# Altium PCB Graviton-RB1.PcbDoc (part 2 of 11) (continued)
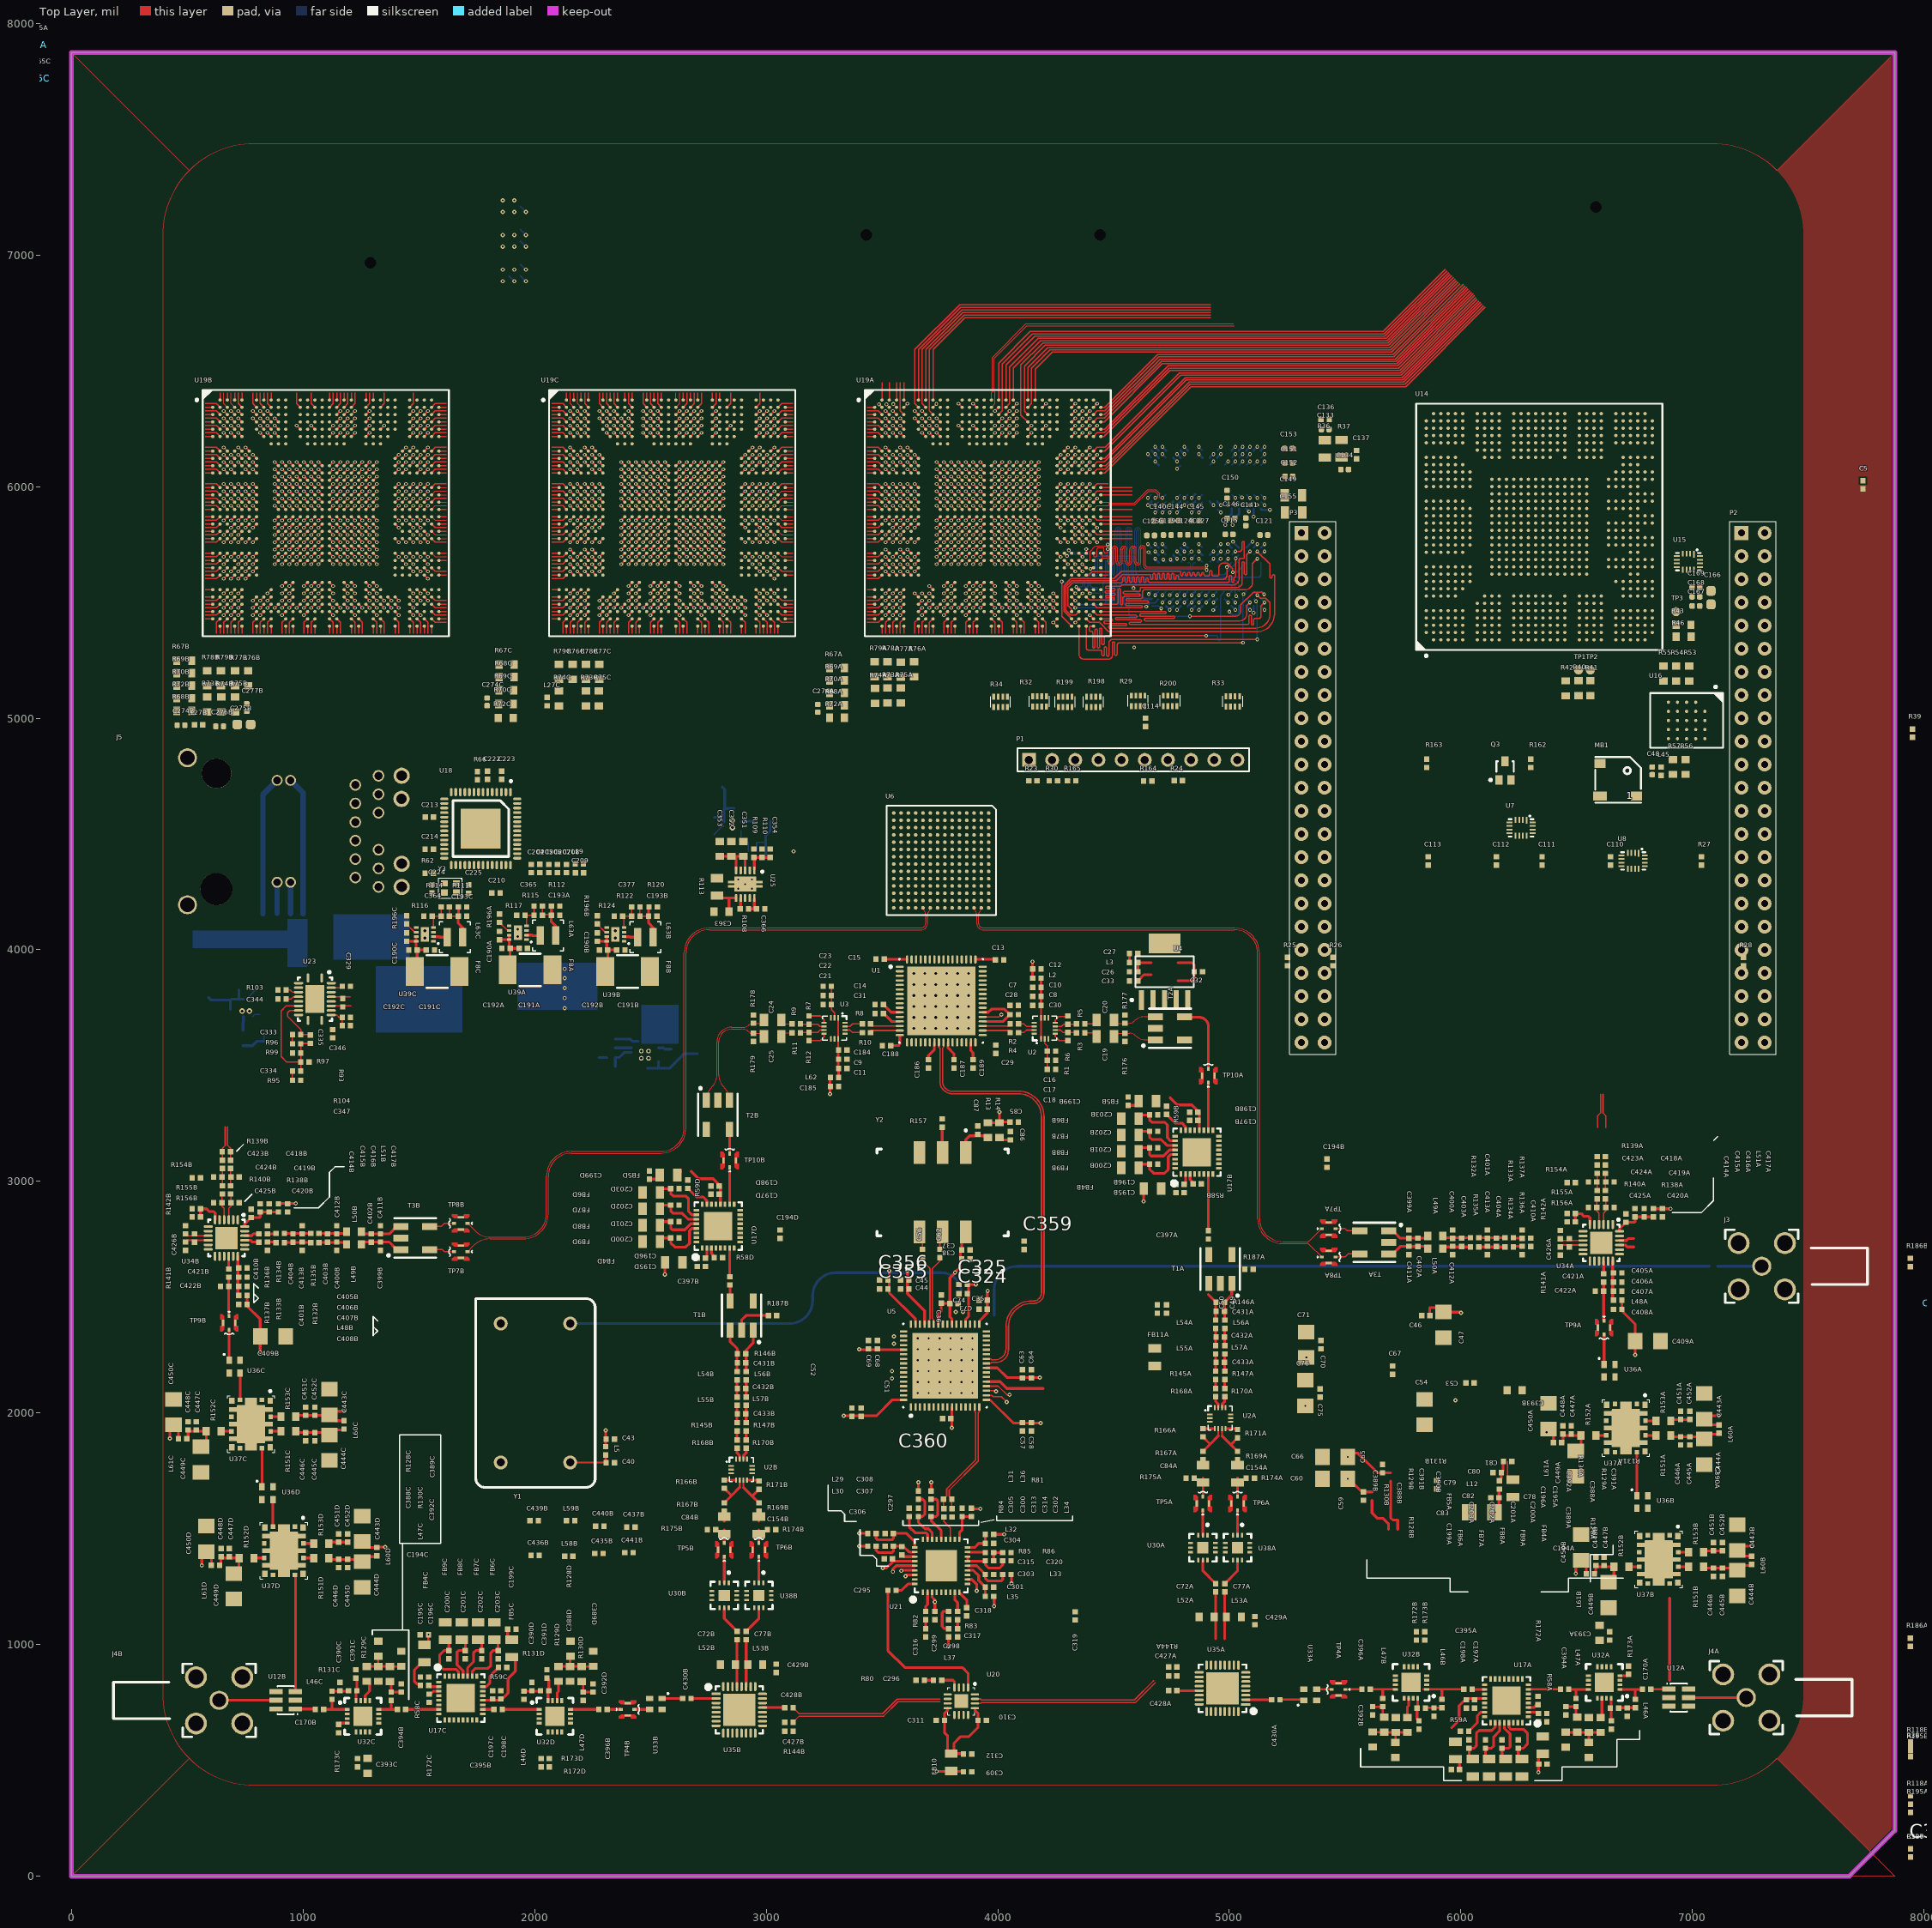
[diagram p0: Top Layer view]
## Components (designator, comment, footprint, x,y, rotation, side; value= is the part's Value field where it differs from the comment) (continued)
C233C "GRM188R71A225KE15D" CAPC1608X90N 2756,6507 r270 bottom (schematic designator C233)
C234A "GRM155R71A104KA01J" CAPC1005X56N 3985,6150 r270 bottom (schematic designator C234)
C234B "GRM155R71A104KA01J" CAPC1005X56N 1123,6153 r270 bottom (schematic designator C234)
C234C "GRM155R71A104KA01J" CAPC1005X56N 2627,6158 r270 bottom (schematic designator C234)
C235A "GRM155R71A104KA01J" CAPC1005X56N 4025,6150 r270 bottom (schematic designator C235)
C235B "GRM155R71A104KA01J" CAPC1005X56N 1163,6153 r270 bottom (schematic designator C235)
C235C "GRM155R71A104KA01J" CAPC1005X56N 2667,6158 r270 bottom (schematic designator C235)
C236A "GRM155R71A104KA01J" CAPC1005X56N 4065,6150 r270 bottom (schematic designator C236)
C236B "GRM155R71A104KA01J" CAPC1005X56N 1203,6153 r270 bottom (schematic designator C236)
C236C "GRM155R71A104KA01J" CAPC1005X56N 2707,6158 r270 bottom (schematic designator C236)
C237A "GRM155R71A104KA01J" CAPC1005X56N 4105,6150 r270 bottom (schematic designator C237)
C237B "GRM155R71A104KA01J" CAPC1005X56N 1242.83,6152.92 r270 bottom (schematic designator C237)
C237C "GRM155R71A104KA01J" CAPC1005X56N 2747,6158 r270 bottom (schematic designator C237)
C238A "GRM155R71A104KA01J" CAPC1005X56N 4216,6560 r270 bottom (schematic designator C238)
C238B "GRM155R71A104KA01J" CAPC1005X56N 1767.94,5972.65 r180 bottom (schematic designator C238)
C238C "GRM155R71A104KA01J" CAPC1005X56N 3246,5943 r180 bottom (schematic designator C238)
C239A "GRM188R71A225KE15D" CAPC1608X90N 4268,6502 r270 bottom (schematic designator C239)
C239B "GRM188R71A225KE15D" CAPC1608X90N 1710,5918 r180 bottom (schematic designator C239)
C239C "GRM188R71A225KE15D" CAPC1608X90N 3198,5893 r180 bottom (schematic designator C239)
C240A "GRM155R71A104KA01J" CAPC1005X56N 4222,6046 r180 bottom (schematic designator C240)
C240B "GRM155R71A104KA01J" CAPC1005X56N 1364,6045 r180 bottom (schematic designator C240)
C240C "GRM155R71A104KA01J" CAPC1005X56N 2866,6037 r180 bottom (schematic designator C240)
C241A "GRM155R71A104KA01J" CAPC1005X56N 4222,6006 r180 bottom (schematic designator C241)
C241B "GRM155R71A104KA01J" CAPC1005X56N 1364,6005 r180 bottom (schematic designator C241)
C241C "GRM155R71A104KA01J" CAPC1005X56N 2866,5998 r180 bottom (schematic designator C241)
C242A "GRM155R71A104KA01J" CAPC1005X56N 4222,5966 r180 bottom (schematic designator C242)
C242B "GRM155R71A104KA01J" CAPC1005X56N 1364,5965 r180 bottom (schematic designator C242)
C242C "GRM155R71A104KA01J" CAPC1005X56N 2866,5959 r180 bottom (schematic designator C242)
C243A "GRM155R71A104KA01J" CAPC1005X56N 4222,5926 r180 bottom (schematic designator C243)
C243B "GRM155R71A104KA01J" CAPC1005X56N 1363.94,5925.17 r180 bottom (schematic designator C243)
C243C "GRM155R71A104KA01J" CAPC1005X56N 2866.24,5920.17 r180 bottom (schematic designator C243)
C244A "GRM188R71A225KE15D" CAPC1608X90N -245.1,6819.97 r90 bottom (schematic designator C244)
C244B "GRM188R71A225KE15D" CAPC1608X90N -238,7036 r90 bottom (schematic designator C244)
C244C "GRM188R71A225KE15D" CAPC1608X90N -224,7333 r90 bottom (schematic designator C244)
C245A "GRM155R71A104KA01J" CAPC1005X56N -294,6841 r90 bottom (schematic designator C245)
C245B "GRM155R71A104KA01J" CAPC1005X56N -301.23,7058.06 r90 bottom (schematic designator C245)
C245C "GRM155R71A104KA01J" CAPC1005X56N -272,7358 r90 bottom (schematic designator C245)
C246A "GRM155R71A104KA01J" CAPC1005X56N 4161,5207 r90 bottom (schematic designator C246)
C246B "GRM155R71A104KA01J" CAPC1005X56N 1771,5778 r180 bottom (schematic designator C246)
C246C "GRM155R71A104KA01J" CAPC1005X56N 3254,5773 r180 bottom (schematic designator C246)
C247A "GRM188R71A225KE15D" CAPC1608X90N 4103,5254 r90 bottom (schematic designator C247)
C247B "GRM188R71A225KE15D" CAPC1608X90N 1711,5722 r180 bottom (schematic designator C247)
C247C "GRM188R71A225KE15D" CAPC1608X90N 3206,5721 r180 bottom (schematic designator C247)
C248A "GRM155R71A104KA01J" CAPC1005X56N 4224,5860 r180 bottom (schematic designator C248)
C248B "GRM155R71A104KA01J" CAPC1005X56N 1361,5857 r180 bottom (schematic designator C248)
C248C "GRM155R71A104KA01J" CAPC1005X56N 2865,5856 r180 bottom (schematic designator C248)
C249A "GRM155R71A104KA01J" CAPC1005X56N 4224,5820 r180 bottom (schematic designator C249)
C249B "GRM155R71A104KA01J" CAPC1005X56N 1361,5818 r180 bottom (schematic designator C249)
C249C "GRM155R71A104KA01J" CAPC1005X56N 2865,5816 r180 bottom (schematic designator C249)
C250A "GRM155R71A104KA01J" CAPC1005X56N 4224,5780 r180 bottom (schematic designator C250)
C250B "GRM155R71A104KA01J" CAPC1005X56N 1361,5779 r180 bottom (schematic designator C250)
C250C "GRM155R71A104KA01J" CAPC1005X56N 2865,5777 r180 bottom (schematic designator C250)
C251A "GRM155R71A104KA01J" CAPC1005X56N 4224,5740 r180 bottom (schematic designator C251)
C251B "GRM155R71A104KA01J" CAPC1005X56N 1360.97,5739.17 r180 bottom (schematic designator C251)
C251C "GRM155R71A104KA01J" CAPC1005X56N 2865,5738 r180 bottom (schematic designator C251)
C252A "GRM188R71A225KE15D" CAPC1608X90N 4505.1,5961.33 r270 bottom (schematic designator C252)
C252B "GRM188R71A225KE15D" CAPC1608X90N 1717,5830 r180 bottom (schematic designator C252)
C252C "GRM188R71A225KE15D" CAPC1608X90N 3200,5827 r180 bottom (schematic designator C252)
C253A "GRM155R71A104KA01J" CAPC1005X56N 4325,5820 r0 bottom (schematic designator C253)
C253B "GRM155R71A104KA01J" CAPC1005X56N 1554,5823 r180 bottom (schematic designator C253)
C253C "GRM155R71A104KA01J" CAPC1005X56N 3053.27,5819.77 r180 bottom (schematic designator C253)
C254A "GRM155R71A104KA01J" CAPC1005X56N 4251,5208 r90 bottom (schematic designator C254)
C254B "GRM155R71A104KA01J" CAPC1005X56N 1768,5615 r180 bottom (schematic designator C254)
C254C "GRM155R71A104KA01J" CAPC1005X56N 3255,5621 r180 bottom (schematic designator C254)
C255A "GRM188R71A225KE15D" CAPC1608X90N 4211,5621 r90 bottom (schematic designator C255)
C255B "GRM188R71A225KE15D" CAPC1608X90N 1706,5561 r180 bottom (schematic designator C255)
C255C "GRM188R71A225KE15D" CAPC1608X90N 3200,5564 r180 bottom (schematic designator C255)
C256A "GRM155R71A104KA01J" CAPC1005X56N 4226,5698 r180 bottom (schematic designator C256)
C256B "GRM155R71A104KA01J" CAPC1005X56N 1360.99,5701.28 r180 bottom (schematic designator C256)
C256C "GRM155R71A104KA01J" CAPC1005X56N 2866,5658 r180 bottom (schematic designator C256)
C257A "GRM155R71A104KA01J" CAPC1005X56N 4208,5279 r90 bottom (schematic designator C257)
C257B "GRM155R71A104KA01J" CAPC1005X56N 1361,5662 r180 bottom (schematic designator C257)
C257C "GRM155R71A104KA01J" CAPC1005X56N 2866,5698 r180 bottom (schematic designator C257)
C258A "GRM155R71A104KA01J" CAPC1005X56N 3305,5721 r0 bottom (schematic designator C258)
C258B "GRM155R71A104KA01J" CAPC1005X56N 505,5732 r0 bottom (schematic designator C258)
C258C "GRM155R71A104KA01J" CAPC1005X56N 1998,5622 r180 bottom (schematic designator C258)
C259A "GRM188R71A225KE15D" CAPC1608X90N 3356,5672 r0 bottom (schematic designator C259)
C259B "GRM188R71A225KE15D" CAPC1608X90N 498,5601 r90 bottom (schematic designator C259)
C259C "GRM188R71A225KE15D" CAPC1608X90N 2315,5637 r90 bottom (schematic designator C259)
C260A "GRM155R71A104KA01J" CAPC1005X56N 3688,5746 r0 bottom (schematic designator C260)
C260B "GRM155R71A104KA01J" CAPC1005X56N 830,5754 r0 bottom (schematic designator C260)
C260C "GRM155R71A104KA01J" CAPC1005X56N 2322,5718 r0 bottom (schematic designator C260)
C261A "GRM155R71A104KA01J" CAPC1005X56N 3688,5786 r0 bottom (schematic designator C261)
C261B "GRM155R71A104KA01J" CAPC1005X56N 830,5793 r0 bottom (schematic designator C261)
C261C "GRM155R71A104KA01J" CAPC1005X56N 2322,5757 r0 bottom (schematic designator C261)
C262A "GRM155R71A104KA01J" CAPC1005X56N 3688,5826 r0 bottom (schematic designator C262)
C262B "GRM155R71A104KA01J" CAPC1005X56N 830,5831 r0 bottom (schematic designator C262)
C262C "GRM155R71A104KA01J" CAPC1005X56N 2322,5796 r0 bottom (schematic designator C262)
C263A "GRM155R71A104KA01J" CAPC1005X56N 3688,5866 r0 bottom (schematic designator C263)
C263B "GRM155R71A104KA01J" CAPC1005X56N 830,5869 r0 bottom (schematic designator C263)
C263C "GRM155R71A104KA01J" CAPC1005X56N 2322,5835 r0 bottom (schematic designator C263)
C264A "GRM188R71A225KE15D" CAPC1608X90N -222.9,7885.65 r90 top (schematic designator C264)
C264B "GRM188R71A225KE15D" CAPC1608X90N 519,5476 r90 bottom (schematic designator C264)
C264C "GRM188R71A225KE15D" CAPC1608X90N -219.47,7738.26 r90 top (schematic designator C264)
C265A "GRM155R71A104KA01J" CAPC1005X56N -174,7907 r90 top (schematic designator C265)
C265B "GRM155R71A104KA01J" CAPC1005X56N 471,5501 r90 bottom (schematic designator C265)
C265C "GRM155R71A104KA01J" CAPC1005X56N -162,7763 r90 top (schematic designator C265)
C266A "GRM155R71A104KA01J" CAPC1005X56N 3299,6030 r0 bottom (schematic designator C266)
C266B "GRM155R71A104KA01J" CAPC1005X56N 826,6564 r270 bottom (schematic designator C266)
C266C "GRM155R71A104KA01J" CAPC1005X56N 2002,5842 r180 bottom (schematic designator C266)
C267A "GRM188R71A225KE15D" CAPC1608X90N 3350,6084 r0 bottom (schematic designator C267)
C267B "GRM188R71A225KE15D" CAPC1608X90N 774,6512 r270 bottom (schematic designator C267)
C267C "GRM188R71A225KE15D" CAPC1608X90N 2215,5884 r0 bottom (schematic designator C267)
C268A "GRM155R71A104KA01J" CAPC1005X56N 3689,5919 r0 bottom (schematic designator C268)
C268B "GRM155R71A104KA01J" CAPC1005X56N 830,6043 r0 bottom (schematic designator C268)
C268C "GRM155R71A104KA01J" CAPC1005X56N 2322,5953 r0 bottom (schematic designator C268)
C269A "GRM155R71A104KA01J" CAPC1005X56N 3689,5959 r0 bottom (schematic designator C269)
C269B "GRM155R71A104KA01J" CAPC1005X56N 830,5918 r0 bottom (schematic designator C269)
C269C "GRM155R71A104KA01J" CAPC1005X56N 2322,5992 r0 bottom (schematic designator C269)
C270A "GRM155R71A104KA01J" CAPC1005X56N 3689,5998 r0 bottom (schematic designator C270)
C270B "GRM155R71A104KA01J" CAPC1005X56N 830,5954 r0 bottom (schematic designator C270)
C270C "GRM155R71A104KA01J" CAPC1005X56N 2323,6050 r0 bottom (schematic designator C270)
C271A "GRM155R71A104KA01J" CAPC1005X56N 3689,6038 r0 bottom (schematic designator C271)
C271B "GRM155R71A104KA01J" CAPC1005X56N 830,5992 r0 bottom (schematic designator C271)
C271C "GRM155R71A104KA01J" CAPC1005X56N 2322,6088 r0 bottom (schematic designator C271)
C272A "GRM188R71A225KE15D" CAPC1608X90N 4224,6195 r270 bottom (schematic designator C272)
C272B "GRM188R71A225KE15D" CAPC1608X90N 1361,6198 r270 bottom (schematic designator C272)
C272C "GRM188R71A225KE15D" CAPC1608X90N 2891,6210 r270 bottom (schematic designator C272)
C273A "GRM155R71A104KA01J" CAPC1005X56N 4271,6178 r270 bottom (schematic designator C273)
C273B "GRM155R71A104KA01J" CAPC1005X56N 1409.2,6179.04 r270 bottom (schematic designator C273)
C273C "GRM155R71A104KA01J" CAPC1005X56N 2939,6215 r270 bottom (schematic designator C273)
C274A "GRM155R71A104KA01J" CAPC1005X56N 3223,5043 r270 top (schematic designator C274)
C274B "GRM155R71A104KA01J" CAPC1005X56N 473,4970 r0 top (schematic designator C274)
C274C "GRM155R71A104KA01J" CAPC1005X56N 1795,5071 r270 top (schematic designator C274)
C275A "GRM188R71A225KE15D" CAPC1608X90N 3697,5594.46 r90 bottom (schematic designator C275)
C275B "GRM188R71A225KE15D" CAPC1608X90N 745,4973 r180 top (schematic designator C275)
C275C "GRM188R71A225KE15D" CAPC1608X90N 2454,5602 r90 bottom (schematic designator C275)
C276A "GRM155R71A104KA01J" CAPC1005X56N 3698,5688 r270 bottom (schematic designator C276)
C276B "GRM155R71A104KA01J" CAPC1005X56N 640,4965 r0 top (schematic designator C276)
C276C "GRM155R71A104KA01J" CAPC1005X56N 2404,5625 r90 bottom (schematic designator C276)
C277A "GRM155R71A104KA01J" CAPC1005X56N 3781,5610.46 r90 bottom (schematic designator C277)
C277B "GRM155R71A104KA01J" CAPC1005X56N 757,5046 r270 top (schematic designator C277)
C277C "GRM155R71A104KA01J" CAPC1005X56N 2365,5625 r90 bottom (schematic designator C277)
C278A "CAP 0402" 0402 3769,5203 r270 bottom (schematic designator C278)
C278B "CAP 0402" 0402 3230,4898 r90 bottom (schematic designator C278)
C278C "CAP 0402" 0402 3409,4898 r90 bottom (schematic designator C278)
C279A "CAP 0402" 0402 3847,5203 r90 bottom (schematic designator C279)
C279B "CAP 0402" 0402 1030,5747 r270 bottom (schematic designator C279)
C279C "CAP 0402" 0402 2421,5861 r0 bottom (schematic designator C279)
C280A "GRM155R71A104KA01J" CAPC1005X56N 4154,6009 r0 bottom (schematic designator C280)
C280B "GRM155R71A104KA01J" CAPC1005X56N 898,5758 r180 bottom (schematic designator C280)
C280C "GRM155R71A104KA01J" CAPC1005X56N 2721,6087 r90 bottom (schematic designator C280)
C281A "GRM155R71A104KA01J" CAPC1005X56N 4083,6086 r90 bottom (schematic designator C281)
C281B "GRM155R71A104KA01J" CAPC1005X56N 1224,6083 r90 bottom (schematic designator C281)
C281C "GRM155R71A104KA01J" CAPC1005X56N 2799,6011 r0 bottom (schematic designator C281)
C282A "GRM155R71A104KA01J" CAPC1005X56N 3757,5759 r180 bottom (schematic designator C282)
C282B "GRM155R71A104KA01J" CAPC1005X56N 897,6012 r180 bottom (schematic designator C282)
C282C "GRM155R71A104KA01J" CAPC1005X56N 2391,5759 r180 bottom (schematic designator C282)
C283A "GRM155R71A104KA01J" CAPC1005X56N 3759,6011 r180 bottom (schematic designator C283)
C283B "GRM155R71A104KA01J" CAPC1005X56N 1298,6012 r0 bottom (schematic designator C283)
C283C "GRM155R71A104KA01J" CAPC1005X56N 2390,6012 r180 bottom (schematic designator C283)
C284A "GRM188R71A225KE15D" CAPC1608X90N 3930,5889 r0 bottom (schematic designator C284)
C284B "GRM188R71A225KE15D" CAPC1608X90N 1155,5626 r0 bottom (schematic designator C284)
C284C "GRM188R71A225KE15D" CAPC1608X90N 2542,5632 r180 bottom (schematic designator C284)
C285A "GRM188R71A225KE15D" CAPC1608X90N 3929,5833 r0 bottom (schematic designator C285)
C285B "GRM188R71A225KE15D" CAPC1608X90N 1031,5627 r180 bottom (schematic designator C285)
C285C "GRM188R71A225KE15D" CAPC1608X90N 2651,6507 r270 bottom (schematic designator C285)
C286A "GRM188R71A225KE15D" CAPC1608X90N 4014,5862 r270 bottom (schematic designator C286)
C286B "GRM188R71A225KE15D" CAPC1608X90N 1060,6517 r270 bottom (schematic designator C286)
C286C "GRM188R71A225KE15D" CAPC1608X90N 2655,5632 r0 bottom (schematic designator C286)
C287A "GRM155R71A104KA01J" CAPC1005X56N 4078,5866 r0 bottom (schematic designator C287)
C287B "GRM155R71A104KA01J" CAPC1005X56N 1071,6057 r270 bottom (schematic designator C287)
C287C "GRM155R71A104KA01J" CAPC1005X56N 2610.24,5712.6 r90 bottom (schematic designator C287)
C288A "GRM155R71A104KA01J" CAPC1005X56N 3937,5765 r270 bottom (schematic designator C288)
C288B "GRM155R71A104KA01J" CAPC1005X56N 1124,6058 r270 bottom (schematic designator C288)
C288C "GRM155R71A104KA01J" CAPC1005X56N 2566,6054 r270 bottom (schematic designator C288)
C289A "GRM155R71A104KA01J" CAPC1005X56N 3977,5765 r270 bottom (schematic designator C289)
C289B "GRM155R71A104KA01J" CAPC1005X56N 934,5913 r0 bottom (schematic designator C289)
C289C "GRM155R71A104KA01J" CAPC1005X56N 2621,6054 r270 bottom (schematic designator C289)
C290A "GRM155R71A104KA01J" CAPC1005X56N 4078,5906 r0 bottom (schematic designator C290)
C290B "GRM155R71A104KA01J" CAPC1005X56N 934,5861 r0 bottom (schematic designator C290)
C290C "GRM155R71A104KA01J" CAPC1005X56N 2516,5716 r90 bottom (schematic designator C290)
C291A "GRM155R71A104KA01J" CAPC1005X56N 3836,5906 r180 bottom (schematic designator C291)
C291B "GRM155R71A104KA01J" CAPC1005X56N 1236,5911 r0 bottom (schematic designator C291)
C291C "GRM155R71A104KA01J" CAPC1005X56N 2759,5856 r180 bottom (schematic designator C291)
C292A "GRM155R71A104KA01J" CAPC1005X56N 3836,5866 r180 bottom (schematic designator C292)
C292B "GRM155R71A104KA01J" CAPC1005X56N 1235,5854 r0 bottom (schematic designator C292)
C292C "GRM155R71A104KA01J" CAPC1005X56N 2759,5905 r180 bottom (schematic designator C292)
C293A "GRM155R71A104KA01J" CAPC1005X56N 3976,6006 r90 bottom (schematic designator C293)
C293B "GRM155R71A104KA01J" CAPC1005X56N 1130,5748 r270 bottom (schematic designator C293)
C293C "GRM155R71A104KA01J" CAPC1005X56N 2425,5910 r0 bottom (schematic designator C293)
C294A "GRM155R71A104KA01J" CAPC1005X56N 3937,6006 r90 bottom (schematic designator C294)
C294B "GRM155R71A104KA01J" CAPC1005X56N 1069,5748 r270 bottom (schematic designator C294)
C294C "GRM155R71A104KA01J" CAPC1005X56N 2564,5716 r90 bottom (schematic designator C294)
C295 "CAP 0402" 0402 3543.31,1234.45 r180 top
C296 "CAP 0402" 0402 3740.16,846.46 r0 top
C297 "CAP 0402" 0402 3586.61,1405.51 r90 top
C298 "CAP 0402" 0402 3787.4,1125.98 r90 top
C299 "CAP 0402" 0402 3728.35,1125.98 r90 top
C300 "CAP 0402" 0402 3712.6,1570.87 r270 top
C301 "CAP 0402" 0402 3964.57,1248.03 r180 top
C302 "CAP 0402" 0402 3846.46,1570.87 r270 top
C303 "CAP 0402" 0402 3964.57,1303.15 r180 top
C304 "CAP 0402" 0402 3964.57,1437.01 r180 top
C305 "CAP 0402" 0402 3657.48,1570.87 r270 top
C306 "CAP 0402" 0402 3527.56,1370.08 r0 top
C307 "CAP 0402" 0402 3531.5,1425.2 r0 top
C308 "CAP 0402" 0402 3531.5,1480.32 r0 top
C309 "1uF" 0402 3869.88,450.79 r180 top
C310 "1uF" 0402 3933.07,673.23 r180 top
C311 "100nF" 0402 3751.97,673.23 r0 top
C312 "100nF" 0402 3870.08,527.56 r180 top
C313 "CAP 0402" 0402 3767.72,1569.09 r90 top
C314 "CAP 0402" 0402 3803.15,1569.09 r90 top
C315 "CAP 0402" 0402 3964.57,1362.2 r180 top
C316 "CAP 0402" 0402 3688.98,1051.18 r270 top
C317 "CAP 0402" 0402 3826.77,1051.18 r90 top
C318 "CAP 0402" 0402 3866.14,1141.73 r90 top
C319 "CAP 0402" 0402 4334.65,1124.21 r90 top
C320 "CAP 0402" 0402 4039.37,1362.2 r180 top
C321 "CAP" 1210 826.77,3992.13 r90 bottom
C322 "CAP" 1210 704.72,3992.13 r90 bottom
C323 "CAP" 1210 582.68,3992.13 r90 bottom
C324 "CAP 0402" 0402 3850.39,2515.75 r0 top
C325 "CAP 0402" 0402 3850.39,2555.12 r0 top
C326 "CAP 0402" 0402 9894.46,214.86 r90 top
C327 "CAP 0402" 1206 10205.48,155.81 r90 top
C328 "CAP 33pF 0402" 0402 2940.94,4425.2 r0 bottom
C329 "100nF" 0402 1187.2,3842.52 r180 top
C330 "100nF" 0402 7941.7,100.69 r90 top
C331 "CAP" 1210 2198.03,3948.82 r270 bottom
C332 "CAP" 1210 2198.03,3736.22 r90 bottom
C333 "12nF" 0402 972.44,3633.86 r0 top
C334 "2.7nF" 0402 972.44,3476.38 r180 top
C335 "1.3nF" 0402 1031.5,3614.17 r90 top
C336 "CAP 10UF 0402" 0402 2984.25,3598.43 r180 bottom
C337 "CAP 10UF 0402" 0402 2984.25,3527.56 r180 bottom
C338 "CAP 10UF 0402" 0402 2984.25,3562.99 r180 bottom
C339 "CAP 0402" 0402 2590.55,3590.55 r90 bottom
C340 "1.0nF" 0402 1098.43,3905.51 r0 bottom
C341 "CAP 10UF 0402" 0402 2543.31,4177.17 r0 bottom
C342 "CAP 10UF 0402" 0402 2618.11,4216.54 r180 bottom
C343 "CAP 10UF 0402" 0402 2618.11,4177.17 r180 bottom
C344 "2.2nF" 0402 909.45,3787.4 r180 top
C345 "2.2nF" 0402 9244,7096 r90 top
C346 "4.7uF" 0402 1128.15,3637.8 r270 top
C347 "1nF" 0402 1187.2,3673.23 r0 top
C348 "CAP 0402" 0402 2330.71,3614.17 r180 bottom
C349 "CAP 0402" 0402 2275.59,3515.75 r270 bottom
C350 "CAP 0402" 0402 2330.71,3496.06 r180 bottom
C351 "CAP 0603" 0603 2901.57,4435.94 r270 top
C352 "CAP 0603" 0603 2850.39,4435.94 r270 top
C353 "CAP 0603" 0603 2799.21,4435.94 r270 top
C354 "1nF, 50V" 0402 3017.72,4417.32 r90 top
C355 "CAP 0402" 0402 3507.87,2535.43 r0 top
C356 "CAP 0402" 0402 3507.87,2574.8 r0 top
C357 "CAP 0402" 0402 8520.44,214.86 r90 top
C358 "CAP 0402" 1206 8835.4,155.81 r90 top
C359 "CAP 0402" 0402 4114.17,2724.41 r90 top
C360 "CAP 0402" 0402 3779.53,1976.38 r0 top
C361 "CAP 0402" 0402 7941.7,100.69 r90 top
C363 "CAP 0603" 0603 2807.09,4165.35 r0 top
C364 "CAP 33pF 0402" 0402 1614.17,4185.04 r0 top
C365 "CAP 33pF 0402" 0402 2015.75,4188.98 r0 top
C366 "CAP 0402" 0402 2976.38,4177.17 r0 top
C367 "CAP 0603" 0603 13996.84,7088.88 r90 top
C368 "CAP 0603" 0603 14292.12,7088.88 r90 top
C377 "CAP 0402" 0402 2437.01,4185.04 r180 top
C378 "CAP 33pF 0402" 0402 12582.68,7078.74 r90 top
C379A "1uF" 0402 11960.13,4749.3 r0 top (schematic designator C379)
C379B "1uF" 0402 9408.95,4093.99 r0 top (schematic designator C379)
C380A "100nF" 0402 11960.13,4749.3 r0 top (schematic designator C380)
C380B "100nF" 0402 9408.95,4093.99 r0 top (schematic designator C380)
C382A "1uF" 0402 693.9,-1045.28 r180 top (schematic designator C382)
C382B "1uF" 0402 -140.75,-1045.28 r180 top (schematic designator C382)
C382C "1uF" 0402 10589.57,3931.1 r0 top (schematic designator C382)
C382D "1uF" 0402 11418.31,3931.1 r0 top (schematic designator C382)
C383A "1uF" 0402 453.74,-1092.52 r180 top (schematic designator C383)
C383B "1uF" 0402 -380.91,-1092.52 r180 top (schematic designator C383)
C383C "1uF" 0402 10829.72,3978.35 r0 top (schematic designator C383)
C383D "1uF" 0402 11658.46,3978.35 r0 top (schematic designator C383)
C384A "1uF" 0402 642.72,-1352.36 r180 top (schematic designator C384)
C384B "1uF" 0402 -191.93,-1352.36 r180 top (schematic designator C384)
C384C "1uF" 0402 10640.75,4238.19 r0 top (schematic designator C384)
C384D "1uF" 0402 11469.49,4238.19 r0 top (schematic designator C384)
C385A "100nF" 0402 489.17,-812.99 r180 top (schematic designator C385)
C385B "100nF" 0402 -345.47,-812.99 r180 top (schematic designator C385)
C385C "100nF" 0402 10794.29,3698.82 r0 top (schematic designator C385)
C385D "100nF" 0402 11623.03,3698.82 r0 top (schematic designator C385)
C386A "100nF" 0402 996.27,-830.71 r180 top (schematic designator C386)
C386B "100nF" 0402 63.98,-1309.06 r180 top (schematic designator C386)
C386C "100nF" 0402 10384.84,4194.88 r0 top (schematic designator C386)
C386D "100nF" 0402 11213.58,4194.88 r0 top (schematic designator C386)
C387A "100nF" 0402 107.28,-887.8 r180 top (schematic designator C387)
C387B "100nF" 0402 -727.36,-887.8 r180 top (schematic designator C387)
C387C "100nF" 0402 11176.18,3773.62 r0 top (schematic designator C387)
C387D "100nF" 0402 12004.92,3773.62 r0 top (schematic designator C387)
C388A "CAP 0603" 0603 6553.15,653.54 r270 top (schematic designator C388)
C388B "CAP 0603" 0603 5718.5,653.54 r270 top (schematic designator C388)
C388C "CAP 0603" 0603 1324.8,874.02 r90 top (schematic designator C388)
C388D "CAP 0603" 0603 2153.54,874.02 r90 top (schematic designator C388)
C389A "CAP 0603" 0603 6452.56,590.35 r90 top (schematic designator C389)
C389B "CAP 0603" 0603 5619.09,590.75 r90 top (schematic designator C389)
C389C "CAP 0603" 0603 1424.21,938.98 r270 top (schematic designator C389)
C389D "CAP 0603" 0603 2252.95,938.98 r270 top (schematic designator C389)
C390A "CAP 0402" 0402 6718.5,708.66 r270 top (schematic designator C390)
C390B "CAP 0402" 0402 5883.86,708.66 r270 top (schematic designator C390)
C390C "CAP 0402" 0402 1159.45,818.9 r90 top (schematic designator C390)
C390D "CAP 0402" 0402 1988.19,818.9 r90 top (schematic designator C390)
C391A "CAP 0402" 0402 6649.41,653.35 r90 top (schematic designator C391)
C391B "CAP 0402" 0402 5818.9,653.54 r90 top (schematic designator C391)
C391C "CAP 0402" 0402 1228.35,874.02 r270 top (schematic designator C391)
C391D "CAP 0402" 0402 2053.15,874.02 r270 top (schematic designator C391)
C392A "CAP 0402" 0402 6453.74,714.57 r90 top (schematic designator C392)
C392B "CAP 0402" 0402 5619.09,714.57 r90 top (schematic designator C392)
C392C "CAP 0402" 0402 1424.21,812.99 r270 top (schematic designator C392)
C392D "CAP 0402" 0402 2252.95,812.99 r270 top (schematic designator C392)
C393A "CAP 0603" 0603 6598.43,1051.18 r270 top (schematic designator C393)
C393B "CAP 0603" 0603 6232.28,2098.43 r180 top (schematic designator C393)
C393C "CAP 0603" 0603 1279.53,476.38 r90 top (schematic designator C393)
C393D "CAP 0603" 0603 -357.28,1187.01 r0 top (schematic designator C393)
C394A "CAP 0402" 0402 6447.83,807.09 r0 top (schematic designator C394)
C394B "CAP 0402" 0402 1425.2,720.47 r180 top (schematic designator C394)
C395A "CAP 0402" 0402 6030.51,807.09 r0 top (schematic designator C395)
C395B "CAP 0402" 0402 1842.52,720.47 r180 top (schematic designator C395)
C396A "CAP 0402" 0402 5590.55,807.09 r0 top (schematic designator C396)
C396B "CAP 0402" 0402 2295.28,720.47 r180 top (schematic designator C396)
C397A "CAP 0402" 0402 4909.45,2769.69 r270 top (schematic designator C397)
C397B "CAP 0402" 0402 2842.52,2570.87 r270 top (schematic designator C397)
C399A "CAP 0402" 0402 5775.59,2772.64 r270 top (schematic designator C399)
C399B "CAP 0402" 0402 1334.65,2720.47 r90 top (schematic designator C399)
C400A "CAP 0402" 0402 5964.57,2772.64 r270 top (schematic designator C400)
C400B "CAP 0402" 0402 1145.67,2720.47 r90 top (schematic designator C400)
C401A "CAP 0402" 0402 6114.17,2772.64 r270 top (schematic designator C401)
C401B "CAP 0402" 0402 996.06,2720.47 r90 top (schematic designator C401)
C402A "CAP 0402" 0402 5814.96,2737.2 r90 top (schematic designator C402)
C402B "CAP 0402" 0402 1295.28,2755.91 r270 top (schematic designator C402)
C403A "CAP 0402" 0402 6003.94,2737.2 r90 top (schematic designator C403)
C403B "CAP 0402" 0402 1106.3,2755.91 r270 top (schematic designator C403)
C404A "CAP 0402" 0402 6153.54,2737.2 r90 top (schematic designator C404)
C404B "CAP 0402" 0402 956.69,2755.91 r270 top (schematic designator C404)
C405A "CAP 0402" 0402 6677.17,2605.31 r180 top (schematic designator C405)
C405B "CAP 0402" 0402 740.16,2625.98 r180 top (schematic designator C405)
C406A "CAP 0402" 0402 6677.17,2565.94 r180 top (schematic designator C406)
C406B "CAP 0402" 0402 740.16,2586.61 r180 top (schematic designator C406)
C407A "CAP 0402" 0402 6677.17,2526.57 r180 top (schematic designator C407)
C407B "CAP 0402" 0402 740.16,2547.24 r180 top (schematic designator C407)
C408A "CAP 0402" 0402 6677.17,2447.83 r0 top (schematic designator C408)
C408B "CAP 0402" 0402 740.16,2468.5 r0 top (schematic designator C408)
C409A "CAP 0402" 1206 6807.09,2310.04 r180 top (schematic designator C409)
C409B "CAP 0402" 1206 870.08,2330.71 r180 top (schematic designator C409)
C410A "CAP 0402" 0402 6301.18,2737.2 r90 top (schematic designator C410)
C410B "CAP 0402" 0402 809.06,2755.91 r270 top (schematic designator C410)
C411A "CAP 0402" 0402 5775.59,2701.77 r90 top (schematic designator C411)
C411B "CAP 0402" 0402 1334.65,2791.34 r270 top (schematic designator C411)
C412A "CAP 0402" 0402 5964.57,2701.77 r90 top (schematic designator C412)
C412B "CAP 0402" 0402 1145.67,2791.34 r270 top (schematic designator C412)
C413A "CAP 0402" 0402 6114.17,2701.77 r90 top (schematic designator C413)
C413B "CAP 0402" 0402 996.06,2791.34 r270 top (schematic designator C413)
C414A "CAP 0402" 0402 6712.6,2841.54 r270 top (schematic designator C414)
C414B "CAP 0402" 0402 775.59,2862.2 r270 top (schematic designator C414)
C415A "CAP 0402" 0402 6751.97,2865.16 r270 top (schematic designator C415)
C415B "CAP 0402" 0402 814.96,2885.83 r270 top (schematic designator C415)
C416A "CAP 0402" 0402 6791.34,2865.16 r270 top (schematic designator C416)
C416B "CAP 0402" 0402 854.33,2885.83 r270 top (schematic designator C416)
C417A "CAP 0402" 0402 6870.08,2865.16 r90 top (schematic designator C417)
C417B "CAP 0402" 0402 933.07,2885.83 r90 top (schematic designator C417)
C418A "CAP 0402" 0402 6624.02,3053.15 r90 top (schematic designator C418)
C418B "CAP 0402" 0402 687.01,3073.82 r90 top (schematic designator C418)
C419A "CAP 0402" 0402 6643.7,2998.03 r180 top (schematic designator C419)
C419B "CAP 0402" 0402 706.69,3018.7 r180 top (schematic designator C419)
C420A "CAP 0402" 0402 6643.7,2887.8 r180 top (schematic designator C420)
C420B "CAP 0402" 0402 706.69,2908.46 r180 top (schematic designator C420)
C421A "CAP 0402" 0402 6616.14,2583.66 r270 top (schematic designator C421)
C421B "CAP 0402" 0402 679.13,2604.33 r270 top (schematic designator C421)
C422A "CAP 0402" 0402 6598.43,2526.57 r0 top (schematic designator C422)
C422B "CAP 0402" 0402 661.42,2547.24 r0 top (schematic designator C422)
C423A "CAP 0402" 0402 6588.58,3053.15 r90 top (schematic designator C423)
C423B "CAP 0402" 0402 651.57,3073.82 r90 top (schematic designator C423)
C424A "CAP 0402" 0402 6568.9,2998.03 r0 top (schematic designator C424)
C424B "CAP 0402" 0402 631.89,3018.7 r0 top (schematic designator C424)
C425A "CAP 0402" 0402 6568.9,2887.8 r0 top (schematic designator C425)
C425B "CAP 0402" 0402 631.89,2908.46 r0 top (schematic designator C425)
C426A "CAP 0402" 0402 6468.5,2735.24 r270 top (schematic designator C426)
C426B "CAP 0402" 0402 531.5,2755.91 r270 top (schematic designator C426)
C427A "CAP 0402" 0402 4755.91,864.57 r0 top (schematic designator C427)
C427B "CAP 0402" 0402 3098.43,665.35 r180 top (schematic designator C427)
C428A "CAP 0402" 0402 4755.91,801.57 r180 top (schematic designator C428)
C428B "CAP 0402" 0402 3098.43,728.35 r0 top (schematic designator C428)
C429A "CAP 0402" 0402 5110.24,1103.94 r90 top (schematic designator C429)